# Altium PCB ADCS_PCB_2.PcbDoc (part 3 of 3)
Units mm, origin at the board's own origin, x right, y up, seen from the top; angles counter-clockwise.
Board outline 95.7 x 90 mm, 4 copper layers (Top Layer, Int1 (GND), Int2 (PWR), Bottom Layer), stack 1.57 mm thick; 156 components, 114 nets, 784 pads, 1100 vias.
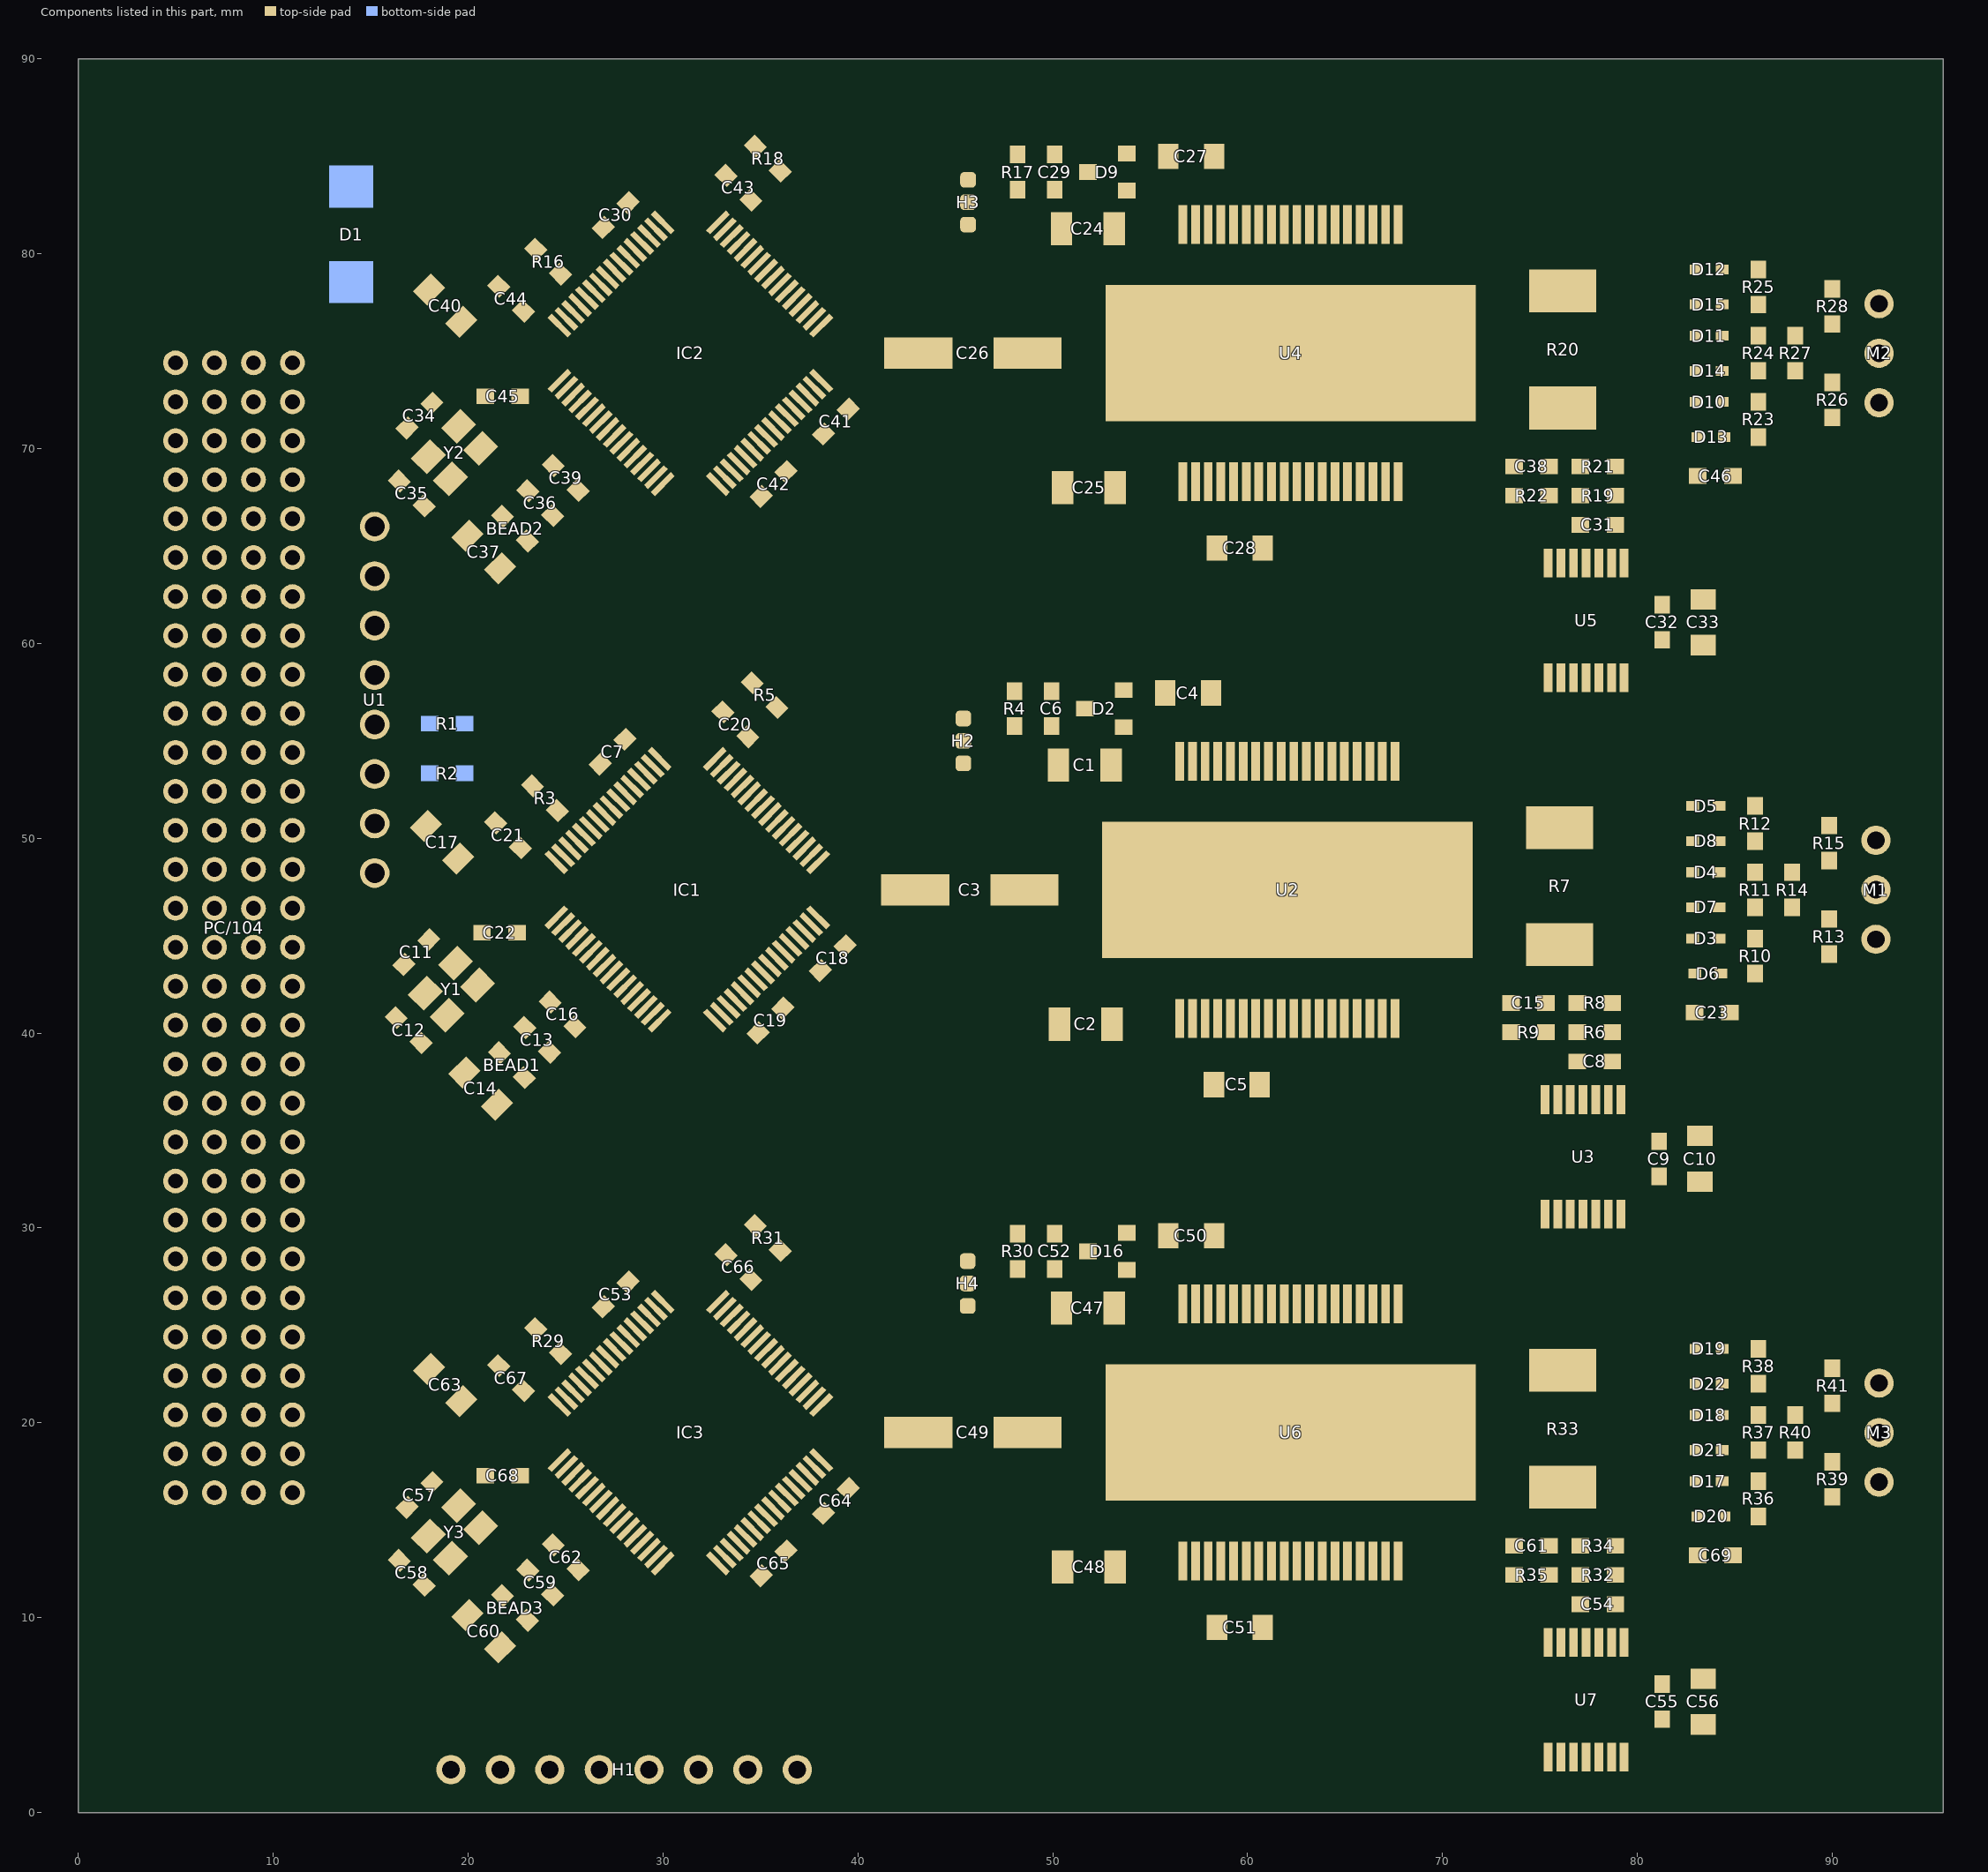
[diagram p5: the components of this part, seen from the top]

## Polygon pours and split planes (outlines as drawn) (continued)
12V on Int2 (PWR) "NONET_L-01_P-001" (solid, pour order 66): 57.61,57.3 52.96,57.3 51.26,55.6 51.26,50.15 51.61,50.15 54.96,53.5 54.96,54.55 55.51,55.1 58.18,55.1 58.64,55.56 58.64,56.27
12V on Int2 (PWR) "NONET_L-01_P-001" (solid, pour order 114): 46.56,42.512 49.022,40.05 51.81,40.05 51.81,53.3 48.954,53.3 46.56,50.906
3V3 on Int2 (PWR) "NONET_L-01_P-001" (solid, pour order 164): 35.76,40.45 cw(c35.76,40.31) 35.9,40.31 35.9,40.3 35.95,40.3 ccw(c35.95,40.47) 36.12,40.47 ccw(c36.04,40.47) 36.04,40.55 35.76,40.55
3V3 on Int2 (PWR) "NONET_L-01_P-001" (solid, pour order 167): 26.2,34.66 26.926,33.934 ccw(c28.722,35.73) 28.722,33.19 29.03,33.19 cw(c28.958,33.118) 29.06,33.118 29.06,32.89 ccw(c29.06,32.842) 29.026,32.876 27.86,31.71 26.903,31.71 cw(c26.934,33.143) 25.898,32.152 25.53,32.52 25.53,33.75
3V3 on Int2 (PWR) "NONET_L-01_P-001" (solid, pour order 168): 79.04,31.71 79.319,31.71 ccw(c79.319,33.281) 80.43,32.17 80.43,33.56 cw(c79.537,34.453) 79.537,33.19 79.03,33.19
GND on Bottom Layer "NONET_L-01_P-001" (solid, pour order 151): 16.9,80 17.8,79.1 17.8,76.6 16.9,75.7 13.6,75.7 12.5,76.8 12.5,79.5 13,80
GND on Bottom Layer "NONET_L-01_P-001" (solid, remove dead copper, pour order 285): 0,0 95.7,0 95.7,90 0,90
12V on Bottom Layer "NONET_L-01_P-001" (solid, pour order 282): 28.75,85.5 44.9,69.35 44.9,60.1 45.1,59.9 45.5,60.3 45.5,54.6 43.8,54.6 40.5,57.9 40.5,66.35 26.75,80.1 18,80.1 17.1,81 12.9,81 11.7,79.8 11.7,76.4 12.672,75.427 12.673,71.973 11.934,71.234 8.566,71.234 7.8,72 7.8,81.7 11.6,85.5
12V on Bottom Layer "NONET_L-01_P-001" (solid, pour order 281): 45.3,76.25 45.3,18.2 46.4,17.1 48.9,17.1 48.9,77.05 46.1,77.05
GND on Bottom Layer "NONET_L-01_P-001" (solid, pour order 260): 71.7,16.2 71.7,22.8 52.7,22.8 52.7,16.2
GND on Bottom Layer "NONET_L-01_P-001" (solid, pour order 259): 71.7,71.6 71.7,78.2 52.7,78.2 52.7,71.6
M2_U on Bottom Layer "NONET_L-01_P-001" (solid, pour order 250): 68.75,64.88 66.25,64.88 65.55,65.58 65.55,66.88 68.75,66.88
M2_V on Bottom Layer "NONET_L-01_P-001" (solid, pour order 248): 60,70.5 59.3,71.2 56.6,71.2 56.3,70.9 56.3,69.8 57.6,68.5 60,68.5
M2_W on Bottom Layer "NONET_L-01_P-001" (solid, pour order 246): 62.6,78.5 60.3,78.5 59.2,79.6 59.2,80.1 60.7,81.6 63.7,81.6 63.7,79.6
12V on Bottom Layer "NONET_L-01_P-001" (solid, pour order 244): 50.27,72.49 50.97,73.19 50.97,76.29 50.27,76.99 49.77,77.49 46.5,77.49 45.77,76.7 45.77,71.99 48.77,71.99 49.27,72.49
12V on Bottom Layer "NONET_L-01_P-001" (solid, pour order 224): 50.27,17.09 50.97,17.79 50.97,20.89 50.27,21.59 49.27,21.59 48.77,22.09 45.77,22.09 45.77,18.09 46.77,17.09
M3_U on Bottom Layer "NONET_L-01_P-001" (solid, pour order 216): 68.75,9.48 66.25,9.48 65.55,10.18 65.55,11.48 68.75,11.48
M3_V on Bottom Layer "NONET_L-01_P-001" (solid, pour order 214): 60,15.1 59.3,15.8 56.6,15.8 56.3,15.5 56.3,14.4 57.6,13.1 60,13.1
M3_W on Bottom Layer "NONET_L-01_P-001" (solid, pour order 212): 62.6,23.1 60.3,23.1 59.2,24.2 59.2,24.7 60.7,26.2 63.7,26.2 63.7,24.2
M1_W on Bottom Layer "NONET_L-01_P-001" (solid, pour order 68): 62.44,50.96 60.14,50.96 59.04,52.06 59.04,52.56 60.54,54.06 63.54,54.06 63.54,52.06
M1_V on Bottom Layer "NONET_L-01_P-001" (solid, pour order 69): 59.84,42.96 59.14,43.66 56.44,43.66 56.14,43.36 56.14,42.26 57.44,40.96 59.84,40.96
M1_U on Bottom Layer "NONET_L-01_P-001" (solid, pour order 72): 68.59,37.34 66.09,37.34 65.39,38.04 65.39,39.34 68.59,39.34
GND on Bottom Layer "NONET_L-01_P-001" (solid, pour order 101): 71.54,44.06 71.54,50.66 52.54,50.66 52.54,44.06
12V on Bottom Layer "NONET_L-01_P-001" (solid, pour order 147): 50.11,44.95 50.81,45.65 50.81,48.75 50.11,49.45 49.11,49.45 48.61,49.95 45.61,49.95 45.61,44.45 48.61,44.45 49.11,44.95
no net on Bottom Solder "NONET_L-01_P-001" (solid): 71.71,16.19 71.71,22.79 52.71,22.79 52.71,16.19
no net on Bottom Solder "NONET_L-01_P-001" (solid): 71.71,71.59 71.71,78.19 52.71,78.19 52.71,71.59
no net on Bottom Solder "NONET_L-01_P-001" (solid): 71.55,44.05 71.55,50.65 52.55,50.65 52.55,44.05
GND on Int1 (GND) "L2_GND_PLANE" (solid, remove dead copper, pour order 118): 95.73,-0.09 0.03,-0.09 0.03,89.91 95.73,89.91

## Other copper
Top Layer:
  pour cut-out: 0.5,88.9 5.25,88.9 5.25,87.2 0.5,87.2
  text "1" at 0.9,87.65 h0.8
Int1 (GND):
  pour cut-out: 0.5,88.9 5.25,88.9 5.25,87.2 0.5,87.2
  text "2" at 1.856,87.65 h0.8
Int2 (PWR):
  pour cut-out: 0.5,88.9 5.25,88.9 5.25,87.2 0.5,87.2
  text "3" at 3.078,87.65 h0.8
Bottom Layer:
  pour cut-out: 0.5,88.9 5.25,88.9 5.25,87.2 0.5,87.2
  text "4" at 4.3,87.65 h0.8

## Silkscreen, mask and mechanical layers (free items; w line width, h text height)
Top Overlay:
  lines w0.2: 0.6,88.75 0.6,87.35 5.15,87.35 5.15,88.75 ; 48.3,82.3 49.3,83.3 ; 49.3,82.9 49.3,83.3 ; 54.8,83.7 54.5,84 ; 54.8,84.3 54.5,84 ; 58.8,84 54.5,84 ; 86.9,17.9 86.9,18.1 ; 86.9,45.6 86.9,45.8 ; 87.1,18.1 86.9,18.1 ; 87.1,45.8 86.9,45.8 ; 87.1,73.4 86.9,73.4 ; 87.4,17.6 86.9,18.1 ; 87.4,45.3 86.9,45.8 ; 87.4,72.9 86.9,73.4 ; 49.3,83.3 48.9,83.3 49.3,83.3 ; 86.9,73.4 86.9,73.2 86.9,73.4
  text "PCB N 01 V 1.0" at 6.539,87.122 h1.52
  text "SMASHBOY_AVI_ADC_PCB_PART01_V01" at 39,86.741 h1.52
  text "02/2021" at 6.35,85.3 h1
  text "PWM" at 42,83.25 h0.8
  text "DAC" at 42,80.9 h0.8
  text "PWM" at 41.7,55.5 h0.8
  text "SCL" at 16.4,55.2 h0.8
  text "DAC" at 41.7,53.3 h0.8
  text "SDA" at 16.4,52.7 h0.8
  text "PWM" at 41.9,27.7 h0.8
  text "DAC" at 41.9,25.5 h0.8
  text "3V3" at 19.5,3.7 h0.8 r90
  text "GND" at 22.1,3.7 h0.8 r90
  text "SWCLK2" at 24.6,3.7 h0.8 r90
  text "SWDIO2" at 27.1,3.7 h0.8 r90
  text "SWCLK1" at 29.7,3.7 h0.8 r90
  text "SWDIO1" at 32.2,3.7 h0.8 r90
  text "SWCLK3" at 34.8,3.7 h0.8 r90
  text "SWDIO3" at 37.3,3.7 h0.8 r90
  text "DESIGN : HENRIQUE TERZI LUCCHETTA" at 61.2,0.9 h1.5
Bottom Overlay:
  drawing of 82 lines, arcs and shapes, not listed
Mechanical 1:
  lines w0.01: 21.74,46.34 21.74,47.27

## Text inside footprints (layer, text, board x,y; h text height)
C3: Top Overlay "+" at 50.59,46.86 h1.22
C26: Top Overlay "+" at 50.75,74.4 h1.22
C49: Top Overlay "+" at 50.75,19 h1.22
PC/104: Top Overlay "A" at 10.599,13.362 h1; Top Overlay "B" at 8.567,13.235 h1; Top Overlay "C" at 6.662,13.235 h1; Top Overlay "D" at 4.503,13.235 h1; Mechanical 13 "*" at 12.107,13.87 h1.27 r270